# Altium PCB Nuio_Left_Keyboard_Rev_G.PcbDoc (part 2 of 3)
Units mil, origin at the board's own origin, x right, y up, seen from the top; angles counter-clockwise.
Board outline 3504.15 x 969.68 mil, 4 copper layers (Top Layer, GND1, GND2, Bottom Layer), stack 37.04 mil thick; 153 components, 101 nets, 597 pads, 397 vias.
Unrouted connection lines stored in the file: 1.
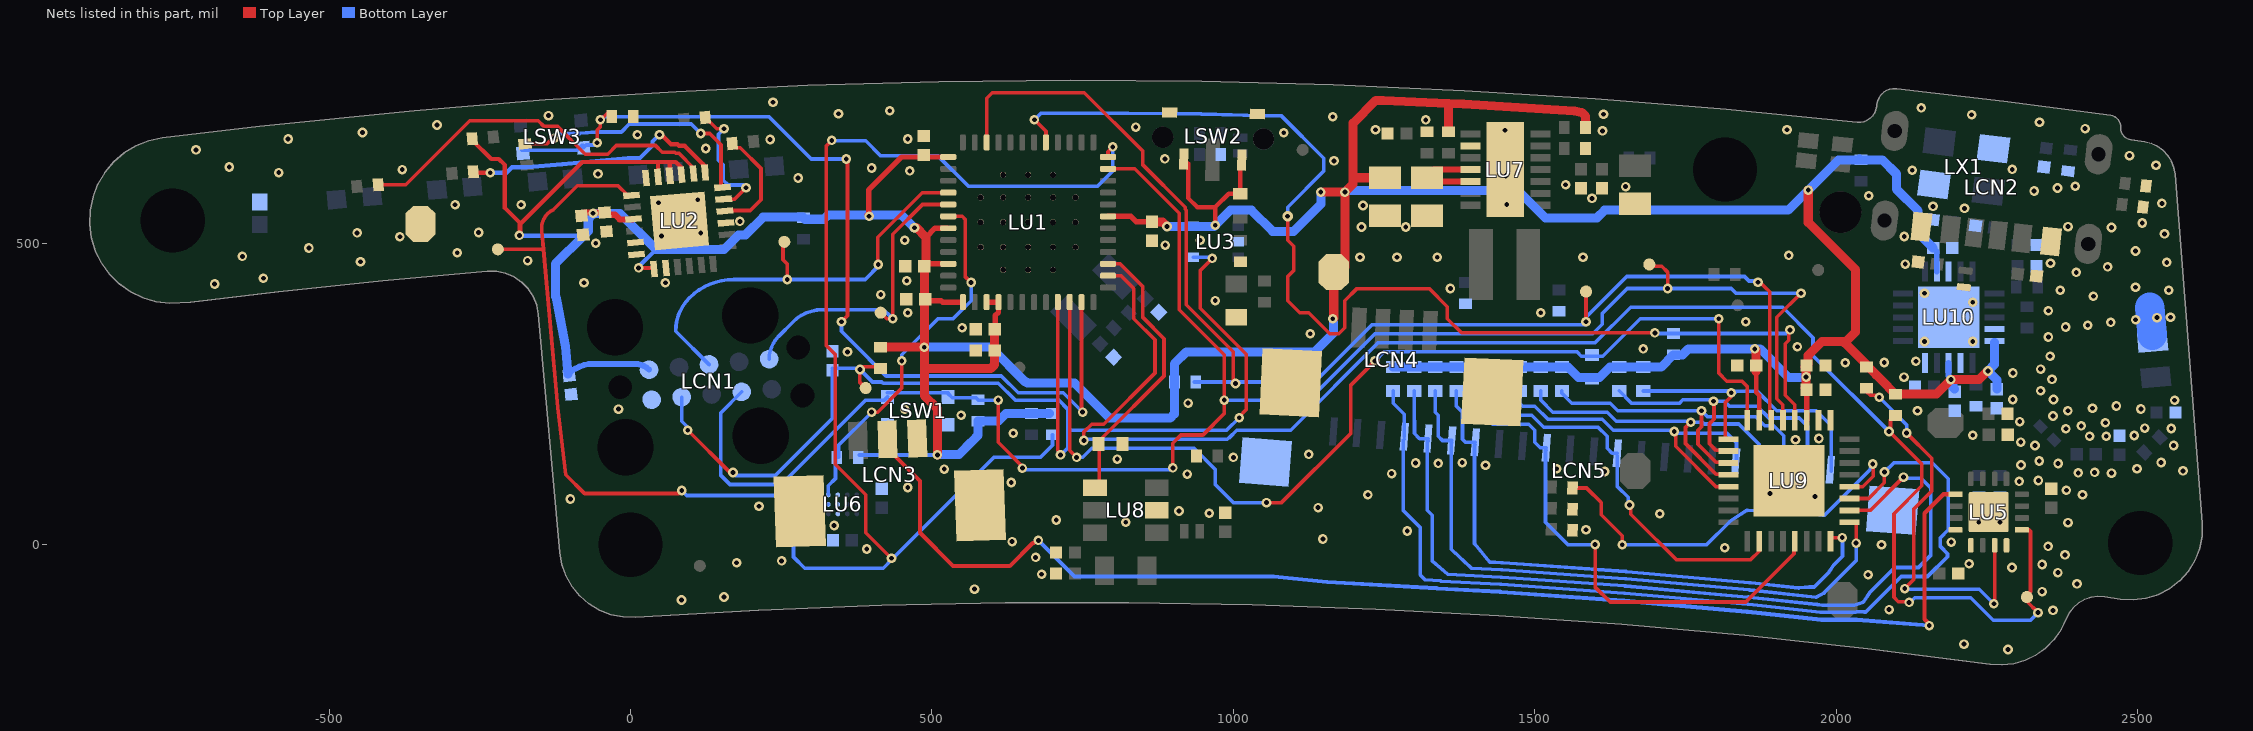
[diagram p4: the nets of this part, all layers, seen from the top]

## Part data (continued)
LL5: library part CMP-001-2002-02, "2.7 nH Unshielded Multilayer Inductor 800 mA 150mOhm Max 0402 (1005 Metric)", Case/Package=0402, Current Rating=300mA, DC Resistance (DCR)=150mR, Inductance=2.7nH, Manufacturer="Murata Electronics", Manufacturer Part Number=LQG15HS2N7S02D, Max Operating Temperature=125°C, Min Operating Temperature=-55°C, Self Resonant Frequency=6GHz, Test Frequency=100MHz, Core Material=Air, DC Current=300mA, Depth=0.55mm, Height=0.5mm, Height - Seated (Max)=0.022inch, Lead Free="Lead Free", Length=1mm, Max DC Current=300mA, Military Standard=Not, Mount="Surface Mount", Q Factor=8, Radiation Hardening=No, Rated Current-Max=300mA, RoHS Compliant=Yes, Series=LQG15HS, Shielding=Unshielded, Termination=SMD/SMT, Width=0.02inch
LLED1 LLED2 LLED3 LLED4 LLED5: library part CMP-001-0086-08, "LED GREEN CLEAR THIN 0603 SMD", Color=Green, Current - Test=20mA, Manufacturer="Lite-On Inc", Millicandela Rating=35mcd, Package / Case="0603 (1608 Metric)", Voltage - Forward (Vf) (Typ)=2V, Height=0.55mm, Lens Style/Size="Rectangle with Flat Top, 1.1mm x 0.8mm", Lens Type=Clear, Manufacturer Part Number=LTST-C191KGKT, Mounting Type="Surface Mount", Packaging="Cut Tape (CT)", Pin Count=2, Pricing 1="1=0.3, 10=0.238, 100=0.1296, 250=0.0864, 500=0.07344, 1000=0.05616, 2500=0.05076 (USD)", RoHS="RoHS Compliant", Size / Dimension="1.60mm L x 0.80mm W", Stock 1=84829, Viewing Angle=130°, Wavelength - Dominant=571nm, Wavelength - Peak=574nm
LLED6: library part CMP-001-0089-03, "LED RGB 605/525/470NM DIFF SMD", Color="Red, Green, Blue (RGB)", Current - Test="20mA Red, 20mA Green, 20mA Blue", Lens Color=White, Manufacturer="Lite-On Inc.", Millicandela Rating="112.5mcd Red, 281mcd Green, 104mcd Blue", Package / Case="0606 (1616 Metric)", Voltage - Forward (Vf) (Typ)="2.1V Red, 3.35V Green, 3.35V Blue", Component Name=LTST-C19HE1WT, ComponentLink1Description=http://optoelectronics.liteon.com/upload/download/DS22-2008-0044/S_110_LTST-C19HE1WT.pdf, ComponentLink1URL=http://optoelectronics.liteon.com/upload/download/DS22-2008-0044/S_110_LTST-C19HE1WT.pdf, Features=-, Height (Max)=0.35mm, Lens Style/Size="Rectangle with Flat Top, 1.15mm x 1.60mm", Lens Transparency=Diffused, Manufacturer Part Number=LTST-C19HE1WT, Mounting Type="Surface Mount", Packaging="Cut Tape (CT)", Part Status=Active, Pin Count=4, Pricing 1="1=0.59, 10=0.424, 25=0.3464, 100=0.277, 250=0.23372, 500=0.19912, 1000=0.15583 (USD)", RoHS="RoHS Compliant", Size / Dimension="1.60mm L x 1.60mm W", Stock 1=369310, Viewing Angle=130°, Wavelength - Dominant="624nm Red, 525nm Green, 470nm Blue", Wavelength - Peak="632nm Red, 520nm Green, 468nm Blue"
LR1 LR2 LR3 LR4 LR11: library part CMP-001-0724-07, "4.7 kOhms ±1% 0.063W, 1/16W Chip Resistor 0402 (1005 Metric) Moisture Resistant Thick Film", Case Code (Imperial)=0402, Manufacturer=YAGEO, Manufacturer Part Number=RC0402FR-074K7L, Max Operating Temperature=155°C, Max Power Dissipation=63mW, Min Operating Temperature=-55°C, Power Rating=62.5mW, Resistance Tolerance=1%, Resistor Type="Thick Film", Temperature Coefficient=100ppm/°C, Voltage Rating=50V, Case/Package=0402, Construction=Rectangular, Depth=0.5mm, Features="Moisture Resistant", Lead Free="Lead Free", Length=1mm, Military Standard=Not, Reach SVHC Compliant=No, RoHS Compliant=Yes, Series=RC, Termination=SMD/SMT, Tolerance=1%, Voltage Rating (DC)=50V, Width=0.5mm
LR5 LR8 LR30 LR31 LR32 LR33 LR34 LR35 LR41: library part CMP-007-0405-16, "1k ±1% 0.063W, 1/16W Chip Resistor 0402 (1005 Metric) Moisture Resistant Thick FilmRES 1K OHM 1% 1/16W 0402", Manufacturer=Yageo, Manufacturer Part Number=RC0402FR-071KL, Package (Imperial)=0402, Package (Metric)=1005, Power=63mW, Resistance=1k, Supplier Part Number=311-1.00KLRCT-ND, Temperature Coefficient=100ppm/°C, Tolerance=1%, Composition="Thick Film", Height=400µm, Supplier=Digi-Key, Termination=SMD/SMT, Width=500µm
LR6 LR16 LR17 LR18 LR23 LR36 LR46 LR47 LR48: library part CMP-007-0354-15, "±1% 0.063W, 1/16W Chip Resistor 0402 (1005 Metric) Moisture Resistant Thick Film", Case Code (Imperial)=0402, Manufacturer=YAGEO, Manufacturer Part Number=RC0402FR-07100KL, Max Operating Temperature=155°C, Max Power Dissipation=63mW, Min Operating Temperature=-55°C, Resistance Tolerance=1%, Resistor Type="Thick Film", Temperature Coefficient=100ppm/°C, Voltage Rating=50V, Case/Package=0402, Construction=Rectangular, Depth=0.5mm, Features="Moisture Resistant", Height=0.016inch, Lead Free="Lead Free", Length=0.039inch, Military Standard=Not, Power Rating=63mW, Reach SVHC Compliant=No, RoHS Compliant=Yes, Series=RC, Termination=SMD/SMT, Tolerance=1%, Width=0.02inch
LR7: library part CMP-00007-24, "RES SMD 220K OHM 1% 1/10W 0402", Max Operating Temperature=155°C, Max Power Dissipation=100mW, Min Operating Temperature=-55°C, Package (Imperial)=0402, Package (Metric)=1005, Package Quantity=1, Power=63mW, Resistance=220k, Temperature Coefficient=100ppm/°C, Tolerance=1%, Voltage Rating=50V, Composition="Thick Film", Contact Plating=Tin, Depth=0.5mm, Features="Automotive AEC-Q200", Height=350µm, Lead Free="Lead Free", Length=1mm, Military Standard=Not, Mount="Surface Mount", Number of Terminations=2, Packaging="Tape and Reel", Power Rating=100mW, Radiation Hardening=No, REACH SVHC="No SVHC", Termination=SMD/SMT, Voltage Rating (DC)=50V, Weight=2.8E-05oz, Width=500µm
LR9 LR13 LR20 LR25 LR38 LR40 LR44 LR50 LR51 LR52 LR53 LR54 LR55 LR56: library part CMP-001-1262-04, "10 kOhms ±1% 0.063W, 1/16W Chip Resistor 0402 (1005 Metric) Anti-Sulfur, Automotive AEC-Q200, Moisture Resistant Thin Film", Case Code (Metric)=1005, Case/Package=0402, Manufacturer=Yageo, Manufacturer Part Number=AT0402FRE0710KL, Max Operating Temperature=155°C, Max Power Dissipation=63mW, Min Operating Temperature=-55°C, Resistance=10k, Supplier Part Number=YAG2104CT-ND, Temperature Coefficient=50ppm/°C, Tolerance=1%, Composition="Thin Film", Features="Moisture Resistant,Automotive AEC-Q200,Anti-Sulfur", Height=0.014inch, Length=0.039inch, Number of Terminations=2, Package (Imperial)=0402, Packaging="Tape and Reel", Supplier=Digi-Key, Width=0.02inch
LR10: library part CMP-001-1735-03, "47.5 kOhms ±1% 0.063W, 1/16W Chip Resistor 0402 (1005 Metric) Moisture Resistant Thick Film", Case Code (Imperial)=0402, Case Code (Metric)=1005, Manufacturer="Panasonic Electronic Components", Manufacturer Part Number=ERA-2ARB6041X, Max Operating Temperature=155°C, Max Power Dissipation=63mW, Min Operating Temperature=-55°C, Power Rating=62.5mW, Resistance=47.5k, Resistance Tolerance=1%, Resistor Type="Thick Film", Temperature Coefficient=100ppm/°C, Voltage Rating=50V, Case/Package=0402, Composition="Thin Film", Construction=Rectangular, Depth=0.5mm, Features="Moisture Resistant", Height=0.016inch, Lead Free="Lead Free", Length=1mm, Military Standard=Not, Number of Terminations=2, Package (Imperial)=0402, Packaging="Tape and Reel", REACH SVHC="No SVHC", RoHS Compliant=Yes, Series=RC, Size Code=0402, Termination=SMD/SMT, Tolerance=1%, Voltage Rating (DC)=50V, Width=0.02inch
LR12: library part "4.99MEG 0402 Resistor 1%", "4.99MEG 0402 Resistor 1%", Case Code (Imperial)=0402, Case Code (Metric)=1005, Manufacturer="Vishay Dale", Manufacturer Part Number=CRCW04024M99FKEDC, Max Operating Temperature=155°C, Max Power Dissipation=63mW, Min Operating Temperature=-55°C, Supplier Part Number 1=541-4110-1-ND, Temperature Coefficient=100ppm/°C, Tolerance=1%, Case/Package=0402, Category="Chip SMD Resistors", ComponentLink1Description=http://www.vishay.com/docs/28773/crcwce3.pdf?src-supplier=Digikey, ComponentLink1URL=http://www.vishay.com/docs/28773/crcwce3.pdf?src-supplier=Digikey, ComponentLink2Description=https://datasheet.octopart.com/CRCW04024M99FKEDC-Vishay-datasheet-102570912.pdf?src-supplier=Future+Electronics, ComponentLink2URL=https://datasheet.octopart.com/CRCW04024M99FKEDC-Vishay-datasheet-102570912.pdf?src-supplier=Future+Electronics, Number of Terminations=2, Packaging="Cut Tape", Pricing 1="1=0.1, 10=0.024, 50=0.0152, 100=0.0127, 500=0.00866, 1000=0.00746, 5000=0.00542 (USD)", RoHS=Yes, RoHS Compliant=Yes, Series=CRCW-C, Stock 1=96023, Supplier 1=Digikey
LR14 LR15: library part CMP-007-0525-17, "5.1 kOhms ±1% 0.1W, 1/10W Chip Resistor 0402 (1005 Metric) Automotive AEC-Q200 Thick Film", Manufacturer="Panasonic Electronic Components", Manufacturer Part Number=ERJ-2RKF5101X, Max Operating Temperature=155°C, Max Power Dissipation=100mW, Min Operating Temperature=-55°C, Package (Imperial)=0402, Power=63mW, Resistance=5.1k, Temperature Coefficient=100ppm/°C, Tolerance=1%, Voltage Rating=50V, Composition="Thick Film", Contact Plating=Tin, Depth=0.5mm, Height=350µm, Lead Free="Lead Free", Length=1mm, Military Standard=Not, Mount="Surface Mount", Power Rating=100mW, REACH SVHC="No SVHC", Termination=SMD/SMT, Voltage Rating (DC)=50V, Weight=2.8E-05oz, Width=500µm
LR19: library part CMP-007-0476-14, "330 Ohms ±1% 0.063W, 1/16W Chip Resistor 0402 (1005 Metric) Automotive AEC-Q200 Thick Film", Manufacturer Part Number=RC0402FR-07330RL, Operating Temperature="-55°C ~ 155°C", Package (Imperial)=0402, Package (Metric)=1005, Power=63mW, Resistance=330, Temperature Coefficient=±100ppm/°C, Tolerance=1%, Height=400µm, Length=1mm, Termination=SMD/SMT
LR21: library part CMP-00034-19, "1.8 kOhms ±0.1% 0.063W, 1/16W Chip Resistor 0402 (1005 Metric) Automotive AEC-Q200 Thin Film", Case Code (Imperial)=0402, Manufacturer="Panasonic Electronic Components", Manufacturer Part Number=ERA-2AEB182X, Max Operating Temperature=155°C, Max Power Dissipation=63mW, Min Operating Temperature=-55°C, Resistance Tolerance=0.1%, Resistor Type="Thin Film", Temperature Coefficient=25ppm/°C, Voltage Rating=50V, Voltage Rating (DC)=25V, Case/Package=0402, Construction=Rectangular, Contact Plating=Tin, Depth=0.5mm, Height=0.016inch, Lead Free="Lead Free", Length=0.039inch, Mounting Technology="Surface Mount", Power Rating=63mW, Reach SVHC Compliant=Unknown, RoHS Compliant=Yes, Series=ERA-2A, Termination=SMD/SMT, Tolerance=0.1%, Width=0.02inch
LR22 LR42 LR43 LR45: library part CMP-007-0298-18, "0 Ohms Jumper Chip Resistor 0402 (1005 Metric) Automotive AEC-Q200 Thick Film", Manufacturer="Stackpole Electronics Inc", Manufacturer Part Number=RMCF0402ZT0R00, Operating Temperature="-55°C ~ 155°C", Package (Imperial)=0402, Package (Metric)=1005, Power=63mW, Resistance=0, Tolerance=0%, Height=400µm, Length=1mm, Termination=SMD/SMT
LR24: library part CMP-001-1995-03, "1 MOhms ±1% 0.063W, 1/16W Chip Resistor 0402 (1005 Metric) Moisture Resistant Thick Film", Case/Package=0402, Manufacturer=YAGEO, Manufacturer Part Number=RC0402FR-071ML, Max Operating Temperature=155°C, Max Power Dissipation=63mW, Min Operating Temperature=-55°C, Resistance=1M, Resistance Tolerance=1%, Resistor Type="Thick Film", Temperature Coefficient=100ppm/°C, Voltage Rating=50V, Construction=Rectangular, Depth=0.5mm, Features="Moisture Resistant", Height=0.32mm, Lead Free="Lead Free", Length=1mm, Military Standard=Not, Power Rating=63mW, REACH SVHC=Unknown, RoHS Compliant=Yes, Series=RC, Size Code=0402, Technology="THICK FILM", Termination=SMD/SMT, Tolerance=1%
LR26: library part CMP-001-2304-01, "SMD Chip Resistor, 13 Ohm, ± 1%, 63 mW, 0402 [1005 Metric], Thick Film, General Purpose", Case Code (Imperial)=0402, Case Code (Metric)=1005, Manufacturer 1=Yageo, Manufacturer Part Number 1=RC0402FR-0713RL, Max Operating Temperature=155°C, Max Power Dissipation=63mW, Min Operating Temperature=-55°C, Power Rating=62.5mW, Supplier Part Number 1=YAG2977CT-ND, Temperature Coefficient=100ppm/°C, Tolerance=1%, Voltage Rating=50V, Case/Package=0402, Category="Chip SMD Resistors", ComponentLink1Description=https://datasheet.ciiva.com/17423/pyu-rc0402-51-rohs-l-6-r-17423990.pdf?src-supplier=Future+Electronics, ComponentLink1URL=https://datasheet.ciiva.com/17423/pyu-rc0402-51-rohs-l-6-r-17423990.pdf?src-supplier=Future+Electronics, ComponentLink2Description=https://datasheet.ciiva.com/15189/getdatasheetpartid-327833-15189354.pdf?src-supplier=Verical, ComponentLink2URL=https://datasheet.ciiva.com/15189/getdatasheetpartid-327833-15189354.pdf?src-supplier=Verical, Construction=Rectangular, Contact Plating=Tin,Matte, Depth=0.5mm, Features="Moisture Resistant", Height=0.016inch, Lead Free="Lead Free", Length=1mm, Military Standard=Not, Number of Terminations=2, Packaging="Tape and Reel", Pricing 1="1=0.1, 10=0.015, 50=0.0088, 100=0.0073, 500=0.00488, 1000=0.00417, 5000=0.00297 (USD)", RoHS=Yes, RoHS Compliant=Yes, Series=RC, Stock 1=239263, Supplier 1=Digikey, Termination=SMD/SMT, Voltage Rating (DC)=50V, Width=0.5mm
LR27: library part CMP-001-2044-03, "RES 180K OHM 1% 1/16W 0402", Max Operating Temperature=155°C, Min Operating Temperature=-55°C, Operating Temperature="-55°C ~ 155°C", Package (Imperial)=0402, Package (Metric)=1005, Power=63mW, Temperature Coefficient=100ppm/°C, Tolerance=1%, Height=400µm, Length=1mm, Resistance=180k, Termination=SMD/SMT, Width=500µm
LR28 LR29 LR39: library part CMP-007-0358-16, "10 kOhms ±1% 0.063W, 1/16W Chip Resistor 0402 (1005 Metric) Thin Film", Max Operating Temperature=155°C, Min Operating Temperature=-55°C, Package (Imperial)=0402, Package (Metric)=1005, Power=63mW, Resistance=10k, Tolerance=1%, Height=400µm, Length=1mm, Termination=SMD/SMT, Width=500µm
LR37: library part CMP-00080-14, "RES SMD 560 OHM 1% 1/16W 0402", Package (Imperial)=0402, Package (Metric)=1005, Power=63mW, Temperature Coefficient=100ppm/°C, Tolerance=1%, Height=400µm, Length=1mm, Resistance=560, Termination=SMD/SMT
LR49: library part CMP-00082-14, "RES SMD 22K OHM 1% 1/16W 0402", Package (Imperial)=0402, Package (Metric)=1005, Power=63mW, Resistance=22k, Tolerance=1%, Height=400µm, Length=1mm, Termination=SMD/SMT
LSW1 LSW3: library part CMP-00343-02, "2.8x1.9mm Compact Type with Projection Surface Mount SKSV Series Tact Switch", Current Rating="50 mA", Manufacturer="Alps Alpine", Voltage Rating (DC)="12 VDC", Manufacturer Part Number=SKSVCAE010, RoHS Compliant=Yes
LSW2: library part CMP-00359-04, "SWITCH TACTILE SPST-NO 0.05A 12V", Current Rating=50mA, Max Operating Temperature=85°C, Min Operating Temperature=-35°C, Operating Force=160gf, Package Quantity=1, Actuator Length=0.85mm, Actuator Material=Polyphthalamide, Actuator Type=Standard, Contact Material="Stainless Steel,Silver", Contact Plating="Stainless Steel,Silver", Electrical Life=100000Cycles, Mechanical Life=100000Cycles, Mount="Surface Mount", Packaging="Tape and Reel", Series=TL3340, Switch Function=Off-Mom, Switch Travel=0.2mm
LTH1: library part CMP-06022-000215-2, "NTC Thermistor for Temperature Sensor, Automotive, 0402, 10kΩ, 1%, 0.1mA, 5V"
LTP1 LTP6 LTP9 LTP11 LTP13: library part CMP-001-0557-04, "Test Point- Current one"
LTP2 LTP3 LTP4 LTP5 LTP7 LTP8 LTP10 LTP12 LTP14 LTP15 LTP16 LTP17: library part CMP-001-1043-02, "MTK-TP20MIL"
LU1: library part CMP-001-1982-03, "Rx Txrx Mod Wifi Surface Mount", Case/Package=QFN, Frequency=2.5GHz, Manufacturer="Espressif Systems", Max Frequency=40MHz, Max Operating Temperature=85°C, Min Operating Temperature=-40°C, Operating Frequency="2.4 GHz to 2.5 GHz", Operating Supply Voltage=3.6V, Output Power (dBm)=20dBm, Package Quantity=2000, Data Bus Width=32b, Data Rate=150Mbps, Height=0.94mm, Interface=I2C,SPI,I2S,UART, Length=7mm, Manufacturer Part Number=ESP32-PICO-D4, Memory Size=4MB, Memory Type=FLASH, Mount="Surface Mount", Number of ADC Channels=10, RAM Size=520KB, Sensitivity=-97dBm, Series=ESP32, Width=7mm
LU2: library part CMP-001-2127-03, "I/O Expander 16 I²C 400 kHz 24-TQFN (4x4)", Frequency=400kHz, Max Operating Temperature=85°C, Min Operating Temperature=-40°C, Interface=I2C, Mounting Technology="Surface Mount", Number of I/Os=16, Packaging="Cut Tape", RoHS Compliant=Yes, Series=-
LU3: library part CMP-001-2183-02, "LMV Series 5 V 1 nA SMT Single General Purpose, Low Voltage Comparator - SC-70", Case/Package=SC, Input Bias Current=1nA, Input Offset Voltage (Vos)=9mV, Manufacturer=onsemi, Max Operating Temperature=85°C, Max Supply Current=120uA, Max Supply Voltage=5V, Min Operating Temperature=-40°C, Min Supply Voltage=2.7V, Natural Thermal Resistance=280°C/W, Operating Supply Voltage=3V, Output Current=84mA, Package Quantity=3000, Quiescent Current=150uA, Voltage Gain=93.98dB, Halogen Free="Halogen Free", Height=1mm, Lead Free="Lead Free", Length=2.2mm, Manufacturer Part Number=LMV331SQ3T2G, Max Input Current=1nA, Number of Channels=1, Number of Elements=1, Packaging="Tape and Reel", Pins=5, Propagation Delay=1.5us, Radiation Hardening=No, Reach SVHC Compliant=No, RoHS Compliant=Yes, Series=-, Supply Current=120uA, Technology=CMOS, Type="General Purpose", Width=1.35mm
LU5: library part CMP-001-1983-03, "USB Friendly 0.5A Li-ion charger with power-Path, 10.5V OVP 16-VQFN -5 to 125", Battery Pack Voltage=4.2V, Case/Package=QFN, Manufacturer="Texas Instruments", Max Charge Current=500mA, Max Operating Temperature=125°C, Max Supply Voltage=10.2V, Min Operating Temperature=-5°C, Battery Chemistry=LITHIUM-ION, Fault Protection="Over Voltage,Over Temperature,Short Circuit,Reverse Current", Interface=USB, Lead Free="Lead Free", Manufacturer Part Number=BQ24232HARGTR, Mount="Surface Mount", Number of Cells=1, Packaging="Cut Tape", RoHS Compliant=Yes, Series=-
LU6: library part CMP-001-1998-02, "IC FUEL GAUGE LI-ION 1C 12WLCSP", Manufacturer=onsemi, Max Operating Temperature=85°C, Min Operating Temperature=-40°C, Interface=I2C, Manufacturer Part Number=LC709204FXE-01TBG, Mount="Surface Mount", Number of Cells=1
LU7: library part CMP-00353-03, "IC REG BCK BST ADJ 4A 14WDFN", Manufacturer="Richtek USA Inc.", Max Input Voltage=5.5V, Max Operating Temperature=85°C, Min Input Voltage=1.8V, Min Operating Temperature=-40°C, Output Current=4A, Switching Frequency=2.4MHz, Manufacturer Part Number=RT6154AGQW, ManufacturerPartNumbers=RT6154AGQW, Max Output Voltage=5.5V, Min Output Voltage=1.8V, Mount="Surface Mount", Number of Outputs=1, Number of Pins=14, Output Configuration=Positive, Output Type=Adjustable, REACH SVHC="No SVHC", RoHS Compliant=Yes, Synchronous Rectifier=Yes, Topology=Buck-Boost
LU8: library part CMP-001-2111-02, "IC LED DRVR RGLTR PWM TSOT23-6", Case/Package=SOT-23-6, Frequency=1.1MHz, Max Operating Temperature=85°C, Max Supply Voltage=5.5V, Min Operating Temperature=-40°C, Output Current per Channel=1.2A, Output Voltage=36.5V, Dimming=PWM, Mounting Technology="Surface Mount", Number of Outputs=1, Packaging="Cut Tape", Topology=Boost
LU9: library part CMP-001-2076-03, "Ultra low-voltage translating 24-bit Fm+ I²C-bus/SMBus I/O expander", Frequency=1MHz, Max Operating Temperature=85°C, Min Operating Temperature=-40°C, Interface=I2C, Mount="Surface Mount", Number of I/Os=24, Packaging="Tape and Reel", RoHS Compliant=Yes, Series=-
LU10: library part CMP-001-1993-05, "IC RF TXRX ISM>1GHZ 20VFQFN", Case/Package=QFN, Current - Receiving=13.5mA, Current - Transmitting=11.3mA, Frequency=2.4GHz, Manufacturer="Nordic Semiconductor ASA", Max Operating Temperature=85°C, Max Supply Voltage=3.6V, Min Operating Temperature=-40°C, Output Power (dBm)=0dBm, Package Quantity=1500, Data Rate=2Mbps, Depth=4mm, Interface=SPI, Length=4mm, Manufacturer Part Number=NRF24L01P-R7, Mount="Surface Mount", Packaging="Tape and Reel", Sensitivity=-94dBm, Series=-
LX1: library part CMP-001-2112-01, "CRYSTAL 16.0000MHZ 12PF SMD", Frequency=16MHz, Frequency Stability=+-30ppm, Frequency Tolerance=+-25ppm, Load Capacitance=12pF, Manufacturer="ECS Inc.", Package/Case=4-SMD, ESR="80 Ohms", Height=0.8mm, Manufacturer Part Number=ECS-160-12-33-AGN-TR3
LY1: library part CMP-18717-000021-2, "CRYSTAL 32.7680KHZ 6PF SMD", Case/Package=SMD/SMT, ESR (Equivalent Series Resistance)=70kR, Frequency Tolerance=30ppm, Load Capacitance=6pF, Max Operating Temperature=85°C, Min Operating Temperature=-40°C, Frequency=32.768kHz, Height=0.033inch, Length=0.126inch, Mount="Surface Mount", Packaging="Tape and Reel", Width=0.061inch

## Free pads (board coordinates)
  round 86.61 hole 106.3: 1(-759.35,538.22) 1(0,0) 1(1815.28,622.21) 1(2504.37,3.11)
  round 68.9 hole 68.9 unplated: 1(2007.09,551.46)

## Via types
v1: diameter 16, hole 8, Top Layer to Bottom Layer, tented both sides, 396 vias
v2: diameter 17.72, hole 8, Top Layer to Bottom Layer, tented both sides, 1 vias

## Nets (pads, with @x,y where several pads share a name; then routed paths per layer and width w, separated by ;. In a path a pad name is that pad's centre, name@x,y a point inside that pad or via, vN(x,y) a via of type N, cw(c..) or ccw(c..) an arc to the next point about the centre after c; other vN are vias at no path point)
3V3: LC1.1 LC2.1 LC3.1 LC4.1 LC5.1 LC6.1 LC8.1 LC9.1 LC11.1 LC30.1 LC31.1 LC33.1 LC34.1 LC35.1 LC36.1 LC37.1 LC38.1 LCN1.1 LR1.1 LR2.1 LR3.1 LR4.1 LR6.1 LR9.1 LR11.1 LR13.1 LR16.1 LR17.2 LR18.2 LR20.1 LR23.1 LR24.1 LR29.1 LR38.1 LR39.1 LR40.1 LR44.1 LR47.1 LR50.1 LR51.1 LR52.1 LR53.1 LR54.1 LR55.1 LR56.1 LSW2.1 LSW2.3 LTP6.1 LU1.1 LU1.3 LU1.4 LU1.19 LU1.37 LU1.43 LU1.46 LU2.1 LU2.15 LU2.16 LU2.17 LU2.21 LU3.5 LU7.4 LU7.5 LU9.27 LU9.31 LU10.7 LU10.15 LU10.18 | length 8804.7
  Top Layer w7: LR29.1@-262.65,673.46 -262.65,671.67 -230.98,640 -218.48,640 -208.48,630 -208.48,558.48 -184.34,534.34 v1(-184.34,513.22) -182.42,515.14 -182.42,532.58 -80,635 45.66,635 ; v1(13.5,459.28) 37.14,459.28 LU2.1@39.12,457.3 ; LU2.17@45.48,610.41 45.48,634.82 45.66,635 ; LU2.16@65.09,612.12 65.09,634.91 65,635 ; LU2.15@81.91,623.91 LU2.15@84.7,613.84 84.7,625.3 75,635 65,635 ; LSW2.3@917.53,639.86 925,632.39 925,575 940,560 970,560 ; v1(970,530) 970,560 ; LSW2.1@1013.97,638.18 1011.52,635.73 LR9.1@1011.52,582.29 992.29,582.29 970,560 ; LC35.1@1867.27,287.29 1867.27,252.73 1872.31,247.69 LU9.31@1872.31,206.62 ; 45.66,635 65,635
  Top Layer w9: v1(395.8,545) 392.9,547.9 395,550 395,588.4 449.79,643.19 LU1.37@525.11,643.19 ; LC2.1@487.27,462.29 490,465.02 491,466.02 LU1.46@527.11,466.02 ; LC1.1@487.82,407.24 490.06,405 515,405 517.57,402.43 LU1.1@551.34,402.43 ; 490,510 505.07,525.07 LU1.43@525.11,525.07 ; LU1.3@590.71,402.43 LU1.4@610.39,402.43 610.39,385.39 605,380 605,358.23 LC4.1@604.01,357.24 ; LU1.19@792.22,544.89 830.11,544.89 839.25,535.75 LC5.1@865,535.75 ; LU9.27@1950.91,206.62 LC33.1@1950.91,257.15
  Top Layer w10: LC9.1@-81.37,545.69 -76.02,551.04 LC8.1@-42.68,551.04 ; LC8.1@-39.1,547.45 -25.57,547.45 -18.01,539.89 LU2.21@4.39,539.89 ; LC31.1@1321.52,608.78 1327.7,602.6 LU7.5@1393.25,602.6 ; LC31.1@1332.74,620 1335.03,622.29 LU7.4@1393.25,622.29
  Top Layer w15: LR3.1@415,327.72 v1(487.28,327.72) ; v1(471.08,525.82) 471.08,526.37 473.63,526.37 490,510 LC2.1@490,465.02 ; LC2.1@487.82,462.29 487.82,407.24 487.82,328.25 v1(487.28,327.72) ; v1(508.97,149.09) 508.97,226.03 487.63,247.37 487.63,292.29 ; LC4.1@604.01,357.24 LC3.1@604.01,322.24 604.01,299.01 597.29,292.29 487.63,292.29 ; LC5.1@865,535.75 882.24,535.75 v1(890,527.99) ; v1(1145,585) v1(1185,585) ; LTP6.1@1152.2,457.89 LTP6.1@1152.81,457.29 ; v1(1165,375) 1166.52,376.52 1166.52,442.29 1185,460.76 v1(1185,585) ; LC30.1@1232.45,608.78 1198.75,608.78 ; LC31.1@1321.52,608.78 LC31.1@1332.74,620 ; LR24.1@1356.52,685 1356.52,730 ; LR23.1@1584.24,692.29 1584.24,710.76 1577.65,717.35 1565.54,719.48 1381.84,730.92 1356.61,732.03 1248.32,736.78 1239.88,737.16 1236.54,737.3 1198.75,699.51 1198.75,608.78 ; v1(1865,325) 1866.59,323.41 1866.59,297.96 LC35.1@1867.27,297.29 LC35.1@1867.27,287.29 ; LC34.1@1948.04,294.55 1950,292.59 v1(1950,278.19) 1950,261.98 1948.04,260.02 LC33.1@1950.77,257.29 ; LC34.1@1950.77,297.29 1953.51,300.02 1953.51,314.27 1976.52,337.29 2011.52,337.29 2014.02,334.79 ; v1(1953.62,588.3) 1953.62,534.92 2032.33,456.21 2032.33,353.09 2014.02,334.79 ; LR17.2@2050,295 2053.12,295 2066.19,281.93 2066.42,281.93 2074.33,274.02 2074.33,273.79 LR18.2@2098.23,249.89 2166.2,249.89 v1(2190.21,273.9) 2236.53,273.9 2250.98,288.34 v1(2251.71,288.34) ; LR17.2@2052.89,295.92 2014.02,334.79 ; v1(487.28,327.72) 487.63,327.37 487.63,292.29 ; v1(1185,585) 1198.75,598.75 1198.75,608.78
  Bottom Layer w7: v1(-184.34,513.22) -183.72,512.6 -77.68,512.6 ; v1(13.5,459.28) 13.5,461.17 42.26,489.93 ; LR16.1@380,149.09 v1(508.97,149.09)
  Bottom Layer w9: LC37.1@2160.77,492.29 2166.84,486.22 LU10.7@2166.84,453.07
  Bottom Layer w10: LC11.1@-103.47,282.9 cw(c-62.2,241.63) -62.2,300 7.44,300 cw(c7.44,267.1) LCN1.1@30.71,290.36 ; LU10.18@2186.52,301.5 2186.6,301.42 2186.6,279.59 2190.21,275.98 v1(2190.21,273.9)
  Bottom Layer w15: LC11.1@-103.47,282.9 -107.57,328.78 -121.63,403.76 ccw(c-155.55,397.48) -123.57,410.42 -124.49,412.71 -124.49,465.78 -77.68,512.6 -70.06,520.21 -70.06,540.31 -62.27,548.1 -62.27,548.83 -61.75,549.35 -17.16,549.35 42.26,489.93 155.31,489.93 179.47,514.08 190.74,514.08 219.99,543.33 LR6.1@286.05,543.33 ; LR6.1@286.91,542.47 289.38,540 320.86,540 327.62,546.77 v1@388.23,546.77 ; v1@392.29,547.29 v1@395.8,547.29 ; v1(395.8,545) v1@395.8,547.29 ; v1(471.08,525.82) 470.53,526.37 469.79,526.37 448.88,547.29 v1@395.8,547.29 ; v1(487.28,327.72) 597.28,327.72 655,270 656.67,270 658.17,268.5 736.19,268.5 794.69,210 895,210 902.28,217.28 LR2.1@902.28,270 902.28,300.01 922.28,320 1135,320 1166,351 1166,374 v1(1165,375) ; v1(508.97,149.09) 509.49,149.61 544.61,149.61 557.75,162.75 557.75,163.05 573.14,178.44 573.44,178.44 576.68,181.68 LR1.1@576.68,204.88 576.8,205 610,205 622.72,217.72 650,217.72 LR11.1@665,217.72 LR4.1@695,217.72 ; v1(890,527.99) LU3.5@933.25,527.99 967.99,527.99 v1(970,530) 995,555 1030,555 1065,520 1100,520 1145,565 v1(1145,585) ; v1(1185,585) 1187.49,587.49 1472.35,587.49 1517.56,542.29 1603.19,542.29 1615.9,555 1920.32,555 v1(1953.62,588.3) 2003.94,638.62 2037.45,638.62 LR47.1@2038.81,639.98 ; LR51.1@1265,294.68 LR50.1@1300,294.68 LR44.1@1335,294.68 LR38.1@1370,294.68 LR20.1@1405,294.68 LR13.1@1440,294.68 LR52.1@1475,294.68 LR53.1@1510,294.68 LR54.1@1545,294.68 1555.31,294.68 1572.72,277.28 1607.28,277.28 1624.68,294.68 LR55.1@1640,294.68 LR56.1@1680,294.68 1709.68,294.68 LR39.1@1730,315 1745,315 1755,325 v1(1865,325) 1873.81,325 1921.42,277.38 1947.38,277.38 1949.1,279.1 v1(1950,278.19) ; LR47.1@2040.77,638.62 2076.38,638.62 2100,615 2100,590 2135.97,554.03 2135.97,517.09 LC37.1@2160.77,492.29 ; v1(2190.21,273.9) 2190.21,273.16 2193.79,269.58 2193.79,260.77 LC38.1@2196.52,258.03 ; v1@2252.23,287.82 2266.52,273.53 LC36.1@2266.52,258.03 ; v1@2252.23,288.86 2262.39,299.02 LU10.15@2262.39,335.34
  other v1: -62,550
BACKLIGHT_CTRL: LR25.1 LU1.15 LU8.4 | length 474
  Top Layer w6: LU8.4@767.78,90.75 777.57,100.55 777.57,167.29 782.71,172.42 782.71,177.71 885,280 885,330 885,341.97 850,376.97 850,428.03 812.01,466.02 LU1.15@792.1,466.02
BAT_CHG: LR18.1 LTP2.1 LU1.14 LU5.9 | length 2681.7
  Top Layer w6: v1(752,173) 752,187 765,200 785,200 870,285 870,340 835,375 835,425 813.67,446.33 LU1.14@792.1,446.33 ; v1(2087.45,187.86) 2090,190.41 2090,207.21 2097.25,214.45 LR18.1@2099.21,214.45 ; v1@2087.98,187.86 2142,133.84 2142,97.77 2095.84,51.61 2095.84,-87.04 2103.08,-94.27 2119.65,-94.27 v1(2120.93,-95.55) ; LU5.9@2310.97,24.74 2319.68,24.74 2322.19,22.22 2322.19,-78.13 2316.19,-84.13 2316.19,-93.87 v1(2334.82,-112.49)
  Bottom Layer w6: v1(752,173) 754.5,175.5 755,175 990,175 993,178 993.74,178 1005.74,190 1095,190 1240,335 1600,335 1659.07,394.07 1911.07,394.07 1961.52,343.62 1961.52,313.79 v1(2087.45,187.86) ; v1(2120.93,-95.55) 2122.47,-95.55 2130.31,-87.71 2222.99,-87.71 2260.27,-125 2322.31,-125 v1(2334.82,-112.49)
BAT_PGOOD: LR17.1 LU5.7 | length 641.4
  Top Layer w6: LR17.1@2050.39,253.93 2056.25,248.07 v1@2064.72,248.07 ; v1(2113.7,-72.69) 2128.73,-57.66 2128.73,59.5 2158.51,89.27 2158.51,143.55 v1(2116.7,185.36) ; v1(2261.52,-97.71) 2262.75,-96.49 LU5.7@2262.75,-3.81
  Bottom Layer w6: v1(2071.33,244.64) 2116.7,199.26 v1(2116.7,185.36) ; v1(2113.7,-72.69) 2114.6,-73.59 2237.4,-73.59 v1(2261.52,-97.71)
BATCAP_SW: LR36.1 LSW3.1 LSW3.2 LU1.11 | length 1568.3
  Top Layer w6: v1(-55.41,666.76) -55.41,687.67 -50,693.07 v1(-50,705) -49.1,705 -37.52,716.58 LR36.1@-31.13,710.74 ; v1(350,370) 360,380 360,640 v1(358,640) ; LU1.11@748.19,402.43 748.19,221.81 v1(750,220)
  Bottom Layer w6: LSW3.1@-180.12,654.52 -88.85,654.52 -81.09,662.29 LSW3.2@-78.18,662.29 ; LSW3.2@-78.18,658.31 -73.33,663.16 -59.01,663.16 v1(-55.41,666.76) ; v1(-50,705) -45,710 229.71,710 300.32,639.39 300.94,640 v1(358,640) ; v1(350,370) 350,353.96 356,347.96 365.96,338 423.96,280 615,280 643,252 718,252 v1(750,220)
BATT_THERM: LCN3.2 LU5.1 | length 2170.8
  Top Layer w7: LCN3.2@426.39,174.7 426.39,159.48 480,105.87 480,20 535,-35 555.25,-35 629.24,-35 667.33,3.1 669.43,3.1 673.62,7.29 v1(676.52,7.29) ; v1(2154.28,-134.11) 2154.28,-131.21 2146.52,-123.45 2146.52,52.29 2178.03,83.79 LU5.1@2194.83,83.79
  Bottom Layer w7: v1(676.52,7.29) 736.52,-52.71 1066.17,-52.71 cw(c1066.17,-59.71) 1066.87,-52.75 1155.77,-61.64 1337.54,-72.19 ccw(c1355,-55) 1337.88,-72.52 1442.29,-78.07 cw(c1440.28,-117.52) 1443.12,-78.12 ; 1443.15,-78.12 1647.33,-92.73 cw(c1644.53,-132.13) 1648.1,-92.79 1851.98,-111.13 cw(c1848.46,-150.47) 1852.8,-111.21 1975.27,-124.5 2030,-124.5 ccw(c2030,-100) 2033.5,-124.25 v1(2154.28,-134.11)
CAP_LED1: LR30.2 LU2.14 | length 620.9
  Top Layer w6: LR30.2@-418.48,597.29 -372.71,597.29 -266.63,703.37 -152.91,703.37 -143.53,693.99 -121.11,693.99 -74.95,647.83 -37.93,647.83 -23.48,662.29 4.03,662.29 18.82,662.28 41.52,662.29 52.54,651.26 73.44,651.26 75.42,649.28 80.49,649.28 104.32,625.45 LU2.14@104.32,615.55
CAP_LED2: LR31.2 LU2.13 | length 443.7
  Top Layer w7: LR31.2@-260.83,618.83 -259,617 v1(-232.64,617) ; v1(48.01,680.14) 49.64,681.77 67.07,664.34 78.04,664.34 80.6,661.78 90.02,661.78 120.73,631.07 123.93,627.88 LU2.13@123.93,617.27
  Bottom Layer w7: v1(-232.64,617) -205.6,617 -196.39,626.22 -172.09,626.22 -113.25,631.36 -4.43,641.45 15.69,641.45 36.66,662.42 36.66,669.14 47.83,680.32 v1(48.01,680.14)
CAP_LED3: LR32.2 LU2.12 | length 426.7
  Top Layer w6: LR32.2@-175.02,664.93 -139.13,664.93 -129.8,674.26 v1(-126.63,674.26) v1@-126.63,671.55 ; v1(116.52,682.29) 131.52,682.29 150.11,663.7 150.11,630.87 150.11,595.76 LU2.12@152.93,592.93
  Bottom Layer w6: v1(-126.63,674.26) -123.93,674.26 -115.9,682.29 -84.55,682.29 -84.29,682.31 -56.24,684.76 -55.72,684.79 -15.09,684.79 -1.88,698 100.81,698 v1(116.52,682.29)
CAP_LED4: LR33.2 LU2.11 | length 218.6
  Top Layer w6: LR33.2@124.17,708.83 143,690 v1(154.99,690.03) ; LU2.11@154.64,573.32 172.56,573.32 v1(191.52,592.29)
  Bottom Layer w6: v1(154.99,690.03) 145.88,680.89 145.88,637.92 153.79,630.02 153.79,604.83 161.81,596.81 187,596.81 v1(191.52,592.29)
CAP_LED5: LR34.2 LU2.10 | length 184.9
  Top Layer w6: LU2.10@156.36,553.71 157.08,554.43 198.67,554.43 216.52,572.29 216.52,624.31 182.24,658.6 175.64,658.6 168.87,665.37 LR34.2@168.87,665.74
CAPS_LED: LR41.2 LU9.20 | length 684.3
  Top Layer w6: LR41.2@1562.7,94.19 1585.81,94.19 1610,70 1610,50 1645,15 v1(1645,0) ; LU9.20@2021.92,96.38 2043.97,96.38 2061.42,113.83 2061.42,133.21 v1(2060.61,134.03)
  Bottom Layer w6: v1(1645,0) 1784.79,0 1823.2,38.4 1849.83,56.16 cw(c1853.16,51.16) 1853.5,57.15 1958.33,51.2 cw(c1957.32,33.37) 1958.93,51.16 1977.79,49.44 1980.84,49.44 1982.57,51.18 2056.39,124.99 2056.39,126.64 2060.61,130.86 v1(2060.61,134.03)
COL0: LCN5.13 LR20.2 LU9.13 | length 866.3
  Top Layer w6: v1(1600.03,0.39) 1600.03,-70.03 1625,-95 1849.84,-95 1929.92,-14.91 1929.92,4.39 LU9.13@1931.36,5.83
  Bottom Layer w6: LR20.2@1405,255.32 1405,225 1430,200 1490,200 1500,190 1500,170 1509.08,160.92 LCN5.13@1519.19,160.92 ; LCN5.13@1519.19,156.99 1517.82,155.63 1517.82,37.18 1555,0 1600,0 v1(1600.03,0.39)
COL1: LCN5.19 LR51.2 LU9.19 | length 1589.4
  Top Layer w6: LU9.19@2021.92,76.7 2053.72,76.7 2079.78,102.76 2079.78,120.23 v1(2080.17,120.62)
  Bottom Layer w6: LR51.2@1265,255.32 1265,235 1283.67,216.33 LCN5.19@1283.67,179.12 ; LCN5.19@1283.67,175.19 1281.52,173.05 1281.52,57.29 1310,28.81 1310,-50 1317.8,-57.8 1344.06,-59.92 ccw(c1355,-55) 1344.26,-60.34 1442.92,-65.59 ; 1442.98,-65.59 cw(c1440.28,-117.52) 1443.98,-65.65 ; 1444.07,-65.66 1648.17,-80.25 cw(c1644.53,-132.13) 1649.24,-80.34 ; 1649.26,-80.34 1853.05,-98.67 cw(c1848.46,-150.47) 1854.12,-98.78 ; 1854.21,-98.79 1974,-111.79 ; 1974.04,-111.79 1975.95,-112 2030,-112 ccw(c2030,-100) 2033.78,-111.39 ; 2033.78,-111.39 2034.2,-111.25 2046.43,-111.41 2049.2,-111.41 2107.89,-52.71 2151.52,-52.71 2184.56,-19.67 2184.56,-14.7 2172.86,-3 2172.86,11.79 2185.83,24.76 2185.83,109.36 2159.06,136.14 2095.69,136.14 v1(2080.17,120.62)
COL2: LCN5.18 LR50.2 LU9.18 | length 1449.3
  Top Layer w6: LU9.18@2021.92,57.01 2056.25,57.01 v1(2111.52,112.29)
  Bottom Layer w6: LR50.2@1300,255.32 1300,206.32 1300.38,205.94 1300.38,185 1300,185 1308.92,176.08 LCN5.18@1322.92,176.08 ; LCN5.18@1322.92,172.16 1321.56,170.79 1321.56,57.25 1330,48.81 1330,-27.05 1355.32,-48.91 1443.53,-53.6 ; 1443.62,-53.61 cw(c1440.28,-117.52) 1444.81,-53.68 ; 1444.96,-53.69 1649,-68.28 ; 1649.02,-68.28 cw(c1647.33,-92.73) 1649.07,-68.29 cw(c1644.53,-132.13) 1650.29,-68.39 ; 1650.38,-68.39 1854.1,-86.72 ; 1854.15,-86.73 cw(c1848.46,-150.47) 1855.39,-86.85 ; 1855.53,-86.86 1968.57,-99.13 1976.6,-100 2030,-100 2045,-95 2056,-78.68 2096.97,-37.71 2136.52,-37.71 2156.52,-17.71 2156.52,94.36 2140.84,110.04 2113.76,110.04 v1(2111.52,112.29)
COL3: LCN5.17 LR44.2 LU9.17 | length 1059.7
  Top Layer w6: LU9.17@2025.85,38.39 2030.26,38.39 2032.97,35.68 v1(2032.97,2.68)
  Bottom Layer w6: LR44.2@1335,255.32 1335,220 1340,215 1340,180 1346.95,173.05 LCN5.17@1362.17,173.05 ; LCN5.17@1362.17,169.13 1361.52,168.47 1361.52,72.29 1361.52,-7.22 1395.05,-39.01 1444.13,-41.62 ; 1444.27,-41.62 cw(c1440.28,-117.52) 1445.63,-41.71 ; 1445.86,-41.72 1649.79,-56.31 cw(c1644.53,-132.13) 1649.85,-56.31 cw(c1647.33,-92.73) 1649.91,-56.32 ; 1649.95,-56.32 cw(c1644.53,-132.13) 1651.36,-56.43 ; 1651.48,-56.44 1855.11,-74.76 ; 1855.25,-74.78 cw(c1848.46,-150.47) 1856.66,-74.91 ; 1856.88,-74.94 1966.36,-86.82 1980,-80 1980,-79.24 2032.97,-26.27 v1(2032.97,2.68)
COL4: LCN5.16 LR38.2 LU9.16 | length 980
  Top Layer w6: LU9.16@1990.42,2.96 1990.42,9.2 1993.13,11.91 v1(2010.11,11.91)
  Bottom Layer w6: LR38.2@1370,255.32 1370,230 1380,220 1380,175 1384.98,170.02 LCN5.16@1401.43,170.02 ; LCN5.16@1401.43,166.09 1400,164.67 1400,86.22 1400,65 1400,2.12 1425.34,-28.6 1444.72,-29.63 ; 1444.94,-29.64 cw(c1440.28,-117.52) 1446.48,-29.74 ; 1446.76,-29.76 1650.6,-44.34 ; 1650.6,-44.34 cw(c1644.53,-132.13) 1650.69,-44.34 cw(c1647.33,-92.73) 1650.76,-44.35 ; 1650.82,-44.35 cw(c1644.53,-132.13) 1652.44,-44.48 ; 1652.6,-44.5 1856.14,-62.81 cw(c1848.46,-150.47) 1856.19,-62.81 ; 1856.25,-62.82 cw(c1854.14,-86.72) 1856.32,-62.82 ; 1856.36,-62.83 cw(c1848.46,-150.47) 1857.93,-62.98 cw(c1856.68,-74.92) 1857.99,-62.99 ; 1858.07,-63 cw(c1854.14,-98.78) 1858.13,-63 ; 1858.2,-63.01 1937.85,-71.66 ccw(c1935,-60) 1938.78,-71.39 ; 1938.78,-71.39 1938.93,-71.34 1955,-70 1963.52,-70 1985.1,-48.43 ccw(c1982.4,-43.07) 1987.39,-46.4 1996.52,-32.71 2010.33,-18.9 2010.33,11.68 v1(2010.11,11.91)
COL5: LCN5.2 LR55.2 LU9.2 | length 521.3
  Top Layer w6: v1(1796.44,238) 1797.18,238 1797.18,208.39 1789.83,201.04 1789.83,167.39 1800.72,156.5 LU9.2@1817.19,156.5
  Bottom Layer w6: LR55.2@1640,255.32 1660.31,235 1740,235 1745.36,240.36 1797.18,240.36 1799.28,238.26 1814.6,238.26 1822.86,230 1868.81,230 1888.52,210.29 1938.52,210.29 1952.33,196.47 LCN5.2@1952.33,125 ; v1(1796.44,238) 1796.44,239.55 v1@1796.44,240.36
COL6: LCN5.3 LR54.2 LU9.3 | length 572.7
  Top Layer w6: v1(1776.52,222.29) 1776.52,195.91 1770.68,190.07 1770.68,166.86 1800.72,136.81 LU9.3@1817.19,136.81
  Bottom Layer w6: LR54.2@1545,255.32 1545,251.42 1561.42,235 1625,235 1637.71,222.29 v1(1776.52,222.29) 1786.52,212.29 1866.52,212.29 1881.52,197.29 1896.52,197.29 1913.08,180.73 1913.08,128.03 LCN5.3@1911.72,126.67
COL9: LCN5.5 LR52.2 LU9.5 | length 587.1
  Top Layer w6: v1(1731.41,188) 1732.4,188.99 1733.65,187.74 1733.65,163.22 1800.49,96.38 LU9.5@1821.13,96.38
  Bottom Layer w6: LR52.2@1475,255.32 1475,235 1480,230 1500,230 1522,208 1612,208 1630,190 v1@1731.4,190 ; v1(1731.41,188) 1731.41,189.98 1732.52,189.98 1737.51,185 1818.81,185 1834.58,169.23 LCN5.5@1834.58,134.1
COL11: LCN5.1 LR56.2 LU9.1 | length 500.1
  Top Layer w6: LU9.1@1817.19,176.18 1817.19,177.35 1815.65,178.89 1815.65,235.65 1826.41,246.41 1826.41,252.14 v1(1825.97,252.14)
  Bottom Layer w6: LR56.2@1680,255.32 1680.31,255 1805,255 1823.11,255 v1(1825.97,252.14) v1@1826.41,252.14 ; v1@1832.29,252.14 1828.65,252.14 v1@1826.41,252.14 ; LCN5.1@1991.59,121.97 1991.59,197.22 1966.52,222.29 1901.52,222.29 1869.42,254.39 1828.65,254.39 v1@1826.41,252.14
COL15: LCN5.10 LR13.2 LU9.10 | length 642.5
  Top Layer w6: v1(1657.1,66.06) 1659.34,63.81 1659.34,50.66 1667.58,42.42 1735,-25 1857.94,-25 1872.31,-10.63 LU9.10@1872.31,5.83
  Bottom Layer w6: LR13.2@1440,255.32 1440,225 1450,215 1495,215 1515,195 1605,195 1620,180 1620,160 1628.18,151.82 LCN5.10@1636.95,151.82 ; LCN5.10@1636.95,147.9 1636.95,96.6 1654.86,78.69 1654.86,68.3 v1(1657.1,66.06)
COL16: LCN5.4 LR53.2 LU9.4 | length 572.2
  Top Layer w6: v1(1758.66,203.31) 1756.42,201.07 1750,194.64 1750,167.85 1800.72,117.13 LU9.4@1817.19,117.13
  Bottom Layer w6: LR53.2@1510,255.32 1510,240 1530,220 1620,220 1635,205 1756.97,205 v1(1758.66,203.31) 1778.53,203.31 1781.55,200.29 1838.52,200.29 1872.46,166.34 LCN5.4@1872.46,129.7
ESP_EN: LC7.2 LCN1.9 LR3.2 LTP16.1 LU1.9 LU3.4 | length 1915.9
  Top Layer w6: v1(95,190) 165,120 v1(170,120) ; v1@380,290.84 v1(380.6,290.84) ; LTP16.1@390,260 380,270 380,295 412.28,295 LR3.2@415,292.28 ; LU1.9@708.82,402.43 708.82,156.18 714.53,150.47 v1(713.18,149.13) ; v1(965,475) 945,455 945,392.22 1021.37,315.85 1021.37,224.36 1009.62,212.6 v1(1009.62,210.85)
  Bottom Layer w6: LCN1.9@84.87,244.91 84.87,205.13 95,195 v1(95,190) ; v1(170,120) 175,115 240,115 335,210 LC7.2@335,289.25 ; LC7.2@335,292.52 380.6,292.52 v1(380.6,290.84) 401.43,270 416.99,270 418.99,268 610.03,268 638.03,240 680,240 710.13,240 725,225.13 725,190 ; v1(713.18,149.13) 714.13,149.13 715,150 725,160 725,190 ; LU3.4@933.25,476.81 963.19,476.81 v1(965,475) ; v1(1009.62,210.85) 988.77,190 725,190
ESP_RX: LCN1.3 LTP4.1 LU1.40 | length 726.5
  Top Layer w6: LTP4.1@253.02,498.04 253.02,472.65 260.31,465.36 260.31,440.31 v1(260,440) ; v1(410.98,465.02) 410,466.01 410,510 484.13,584.13 LU1.40@525.11,584.13
  Bottom Layer w6: LCN1.3@130.33,299.08 75,354.4 cw(c153.09,354.4) 97.87,409.62 cw(c171.21,336.28) 171.21,440 v1(260,440) 389.15,440 412.3,463.15 410.98,464.46 v1(410.98,465.02)
ESP_TX: LCN1.5 LTP7.1 LU1.41 | length 526.7
  Top Layer w6: LTP7.1@415,385 425,375 v1(435,375) 435,416.92 435,434.04 435,515 484.44,564.45 LU1.41@525.11,564.45
  Bottom Layer w6: LCN1.5@229.95,307.79 cw(c283.42,307.79) 245.61,345.61 270,370 cw(c318.28,321.72) 318.28,390 410,390 cw(c410,365.86) 427.07,382.93 v1(435,375)
EXP_INT: LR40.2 LU1.10 LU9.32 | length 1767.4
  Top Layer w6: LU1.10@728.5,402.43 728.5,156.5 v1(740,145) ; v1(1055,70) 1080,70 1195,185 1195,265 v1(1235,305) ; v1(1805,375) 1805,285 1818.61,271.39 1843.83,271.39 1852.62,262.59 LU9.32@1852.62,206.62
  Bottom Layer w6: v1(740,145) 750,145 765,160 935,160 970,125 970,100 1000,70 v1(1055,70) ; v1(1235,305) 1250,320 1570,320 1577.28,312.72 1595,312.72 1612.72,312.72 1675,375 v1(1805,375)
EXP_RESET: LR39.2 LU1.29 LU9.28 | length 1942.9
  Top Layer w6: v1(670,705) 689.13,685.87 LU1.29@689.13,667.41 ; v2(1090,545) 1090,505 1100,495 1100,455 1090,445 1090,405 1110,385 1125,385 1160,350 1175,350 1185,360 1185,405 1205,425 1325,425 1355,395 1355,375 1378.54,351.46 1676.46,351.46 v1(1699.24,351.46) ; v1(1923.38,356.45) 1921.14,354.21 1921.14,339.31 1915.52,333.69 1915.52,248.04 1931.36,232.2 LU9.28@1931.36,211.62
  Bottom Layer w6: v1(670,705) 680.82,715.82 690.09,715.91 825.3,715.57 946.57,714.63 1049.92,711.94 1079.9,711.16 1150,641.06 1150,620 1090,560 v2(1090,545) ; v1@1697.52,350.43 LR39.2@1730,350.43 1735.43,350.43 1917.37,350.43 v1(1923.38,356.45)
FUEL_INT: LR16.2 LU1.42 LU6.C1 | length 608.8
  Top Layer w6: v1(400,220) 410,220 450,260 v1(450,305) ; LU1.42@527.11,544.76 550.24,544.76 555,540 555,445 v1(565,435)
  Bottom Layer w6: LU6.C1@328.15,82.67 328.15,98.15 340,110 340,142.72 LR16.2@342.28,145 ; LR16.2@345,145 345,165 v1(400,220) ; v1(450,305) 450,315 510,375 535,375 565,405 v1(565,435)
GND: LC1.2 LC2.2 LC3.2 LC4.2 LC5.2 LC6.2 LC7.1 LC8.2 LC9.2 LC10.2 LC11.2 LC12.2 LC13.2 LC15.2 LC16.2 LC17.2 LC18.2 LC19.2 LC20.2 LC21.2 LC22.2 LC23.2 LC24.2 LC25.2 LC26.2 LC27.2 LC28.2 LC29.2 LC30.2 LC31.2 LC32.2 LC33.2 LC34.2 LC35.2 LC36.2 LC37.2 LC38.2 LC39.2 LC41.2 LC42.2 LC43.2 LC44.2 LC45.2 LC46.2 LCN1.10 LCN2.A12 LCN2.B12 LCN3.0 LCN3.3 LCN4.0 LCN5.MP1 LCN5.MP2 LD2.2 LE1.2 LR8.2 LR10.2 LR14.1 LR15.1 LR19.2 LR21.2 LR22.2 LR25.2 LR26.2 LR27.2 LR28.2 LR36.2 LR42.2 LR43.2 LR46.1 LR48.2 LR49.2 LSW1.3 LSW1.4 LSW2.MP1 LSW2.MP2 LTH1.2 LTP13.1 LU1.49 LU2.2 LU2.9 LU2.18 LU2.23 LU2.24 LU2.EPAD LU3.2 LU5.4 LU5.5 LU5.8 LU5.17 LU6.A2 LU6.B2 LU6.C2 LU7.2 LU7.15 LU8.2 LU9.25 LU9.26 LU9.33 LU10.8 LU10.14 LU10.17 LU10.20 LU10.21 LX1.2 LX1.4 pad.1@0,0 pad.1@1815.28,622.21 pad.1@2504.37,3.11 pad.1@-759.35,538.22 | length 46.1
  Bottom Layer w49.21: 2520.24,393.65 2521.78,374.78 2521.81,374.51 LE1.2@2524,347.74
  other v1: 2284.87,-173.65 2211.88,-164.73 2359.55,-108.85 2087.67,-107.58 84.71,-91.63 155.07,-86.72 2341.52,-77.71 570.54,-73.5 2399.34,-64.94 2052.86,-49.61 681.87,-48.83 2367.74,-46.14 2291.52,-37.71 2341.52,-32.71 2220.45,-31.44 175.99,-29.87 250.67,-26.77 671.94,-20.9 2379.41,-16.82 391.79,-7.04 1815,-5 2351.52,-2.71 2075,0 2190.72,4.39 633.01,5.17 1148.52,9.63 1288.4,22.94 1585,25 337.73,31.94 2384.54,36.72 821.52,37.29 2236.52,37.29 2271.52,37.29 706.34,41.19 1707.32,51.48 959.91,52.33 909.71,55.98 1140.52,61.58 213.06,63.95 -99.68,75.88 1965,80 1223.07,83.06 2408.46,82.85 1890,85 2381.75,90.31 460,95 631.53,103.42 2303.72,105.16 2335.36,106.62 923.62,117.22 1262.48,117.99 2401.54,119.29 2456.53,118.9 2428.58,120.07 1615.76,121.61 2575.21,122.62 520.56,125.56 1536.38,125.99 2498.98,126.06 1418.26,131.77 2306.52,132.29 2368.09,134.7 1302.35,135.57 1339.89,135.05 1379.66,136.26 2538.94,136.38 2336.7,139.07 807.36,142.14 1000,145 1125,150 2329.78,164.72 2559.67,164.77 2306.04,170.32 1932.39,174.36 1971.29,176.3 2420.25,180.01 2447.86,180.01 2494.32,181.16 2226.36,181.81 635,185 2380.93,192.36 2511.88,193.48 2555.79,192.94 2406.52,197.29 2446.52,202.29 2304.56,204.24 2359.57,213.49 548.35,214.85 2134.72,222.36 2384.22,222.44 -20,225 455,225 2505.42,225.29 2425.21,226.52 2464.65,230.21 925,235 2561.35,239.84 2292.75,240.97 2360.52,241.09 2339.04,255.39 2357.99,274.41 2112.47,278.14 2293.09,284.97 2339.04,291.34 2015.06,302.02 2079.57,302.25 2132.16,304.54 2354.74,312.82 359.96,319.96 1680,325 1935.52,328.44 2146.52,337.29 2226.52,337.29 2351.94,344.59 1127.47,350 550,360 2380.58,361.22 2417.27,364.08 2455.41,368.92 1850,370 2496.67,373.15 2532.2,376.75 2554.61,377.48 460,385 1510,385 2351.93,388.26 2226.52,402.29 970,405 2426.52,412.29 415,415 2146.52,417.29 2371.52,422.29 2551.52,422.29 1360,425 2496.52,427.29 -689.9,432.6 -77.23,434.63 57.91,434.79 458.09,438 -608.97,442.22 2398.26,451.86 2450.2,460.97 2114.38,465.55 2355.51,467.11 2548.21,468.46 -447.94,469.35 -170.65,471.34 1210.11,477 1271.47,477 1338.17,477 1580,477 -643.77,478.41 1921.18,480.1 -287.48,484.46 2496.52,487.29 -533.48,492.29 887.14,497.11 -57.57,500.06 455,505 945,505 -382.56,510.99 2112.99,511.3 51.52,512.29 2544.46,515.63 -453.48,517.29 116.52,517.29 -252.01,518.04 2456.58,526.19 1212.43,527 1286.1,527 2384.51,527.82 2507.52,533.8 181.48,536.44 2212.83,558.05 2160.59,561.37 1215.14,562.86 -290.98,563.88 -181.5,563.96 1453.43,564.61 2540.23,566.32 46.52,567.29 111.52,572.29 1594.85,574.57 2053.85,578.86 2328.29,586.89 2367.15,591.76 1650.6,594.1 2396.38,594.72 1551.18,597.08 278.08,608.31 1451.92,611.85 -53.93,615.21 -583.48,617.29 463.08,620.23 2125.98,621.21 -378.48,622.29 2291.93,622.73 400,625 -665.69,626.64 2530.47,629.67 1167,636.82 886.35,640.05 2486.57,645.55 -720.66,655.11 124.93,657.22 231.52,672.29 -567.93,673.01 460,673 11.42,680.14 1083.51,683.51 -444.45,683.9 1612.33,686.57 1450.51,687.52 1235.87,688.49 1918.31,688.52 2412.88,690.36 838.14,692.77 -320.97,696.31 2337.3,700.73 1319.26,704.77 1165,710 -136.13,711.85 2224.57,713.31 1613.86,714.05 345,715 430,720 2141.17,724.69 236.37,733.93
I2C_CLK0/BOOT: LCN1.7 LR1.2 LSW1.1 LSW1.2 LTP10.1 LU1.23 LU9.29 | length 3071.8
  Top Layer w6: v1(610,240) 610,170 650,130 v1(650,127.14) ; LU1.23@794.11,623.5 836.5,623.5 910,550 910,523.94 910,390 985,315 v1(985,240) 985,217.67 949.47,182.14 913.08,182.14 899.52,168.58 899.52,127.64 v1(899.61,127.55) ; LTP10.1@1690,462.22 1710.4,462.22 1720.29,452.32 v1(1720.29,425.1) ; LU9.29@1911.52,197.44 1911.52,232.05 1901.54,242.03 1901.54,377.3 v1(1941.52,417.29)
  Bottom Layer w6: LCN1.7@184.49,253.63 150,219.13 150,115 165,100 250,100 390,240 421.2,240 LSW1.2@426.33,245.12 ; LSW1.2@426.33,252.29 526.72,252.29 526.72,250.92 533.72,243.92 573.08,243.92 577,240 v1(610,240) ; v1(650,127.14) 652.86,124.28 896.35,124.28 v1@899.21,127.14 ; v1(985,240) 1125,240 1235,350 1596.13,350 1612,365.87 1612,383.71 1653.39,425.1 v1(1720.29,425.1) 1825.99,425.1 1833.81,417.29 v1(1941.52,417.29)
I2C_CLK1: LR4.2 LTP15.1 LU1.24 LU2.19 LU6.B1 | length 3069.5
  Top Layer w6: LTP15.1@-220,490 -144.33,490 -144.26,490.07 ; LU2.19@-4.69,579.69 -20.62,595.62 -88.1,595.62 -127.93,555.8 ccw(c-114.05,525.48) -146.94,519.98 -144.26,490.07 ; v1(85,90) 80,85 -76.19,85 -107.23,116.04 -120.83,227.7 -144.26,490.07 ; v1(333.87,670.79) 325,661.92 325,330 339.42,315.58 339.42,133.61 390,83.03 390,20 v1@435,-25 ; LU1.24@792.1,643.19 792.1,652.1 v1(800,660)
  Bottom Layer w6: v1(85,90) 93.19,81.81 255.41,81.81 270.3,66.92 ; LU6.B1@328.15,66.92 270.3,66.92 ; v1@335,670 390,670 415,645 510,645 560,595 775,595 800,620 v1(800,660) ; LR4.2@700,182.28 700,165 680,145 603.03,145 434.31,-23.71 419.03,-39 289,-39 270.3,-20.3 270.3,66.92
  other v1: 432.88,-22.28
I2C_DATA0: LR2.2 LTP12.1 LU1.34 LU9.30 | length 2132.4
  Top Layer w6: LU1.34@590.71,669.42 590.71,740.71 600,750 752.71,750 850,652.71 850,630 920,560 920,556.97 922,554.97 922,398.25 1000,320.25 1000,271.87 1003.52,268.36 v1(1003.52,267.48) ; v1(1585,370) LTP12.1@1585,420 LTP12.1@1586.95,421.95 ; v1(1870.33,435.37) 1873.5,435.37 1884.23,424.64 1884.74,424.64 1889.52,419.86 1889.52,230.48 1890,230 1890,213.61 LU9.30@1891.99,211.62
  Bottom Layer w6: LR2.2@935,270 1000.99,270 v1(1003.52,267.48) 1006.04,270 1135,270 1230,365 1585,365 v1(1585,370) 1585,377.52 1652.48,445 1847.79,445 1855.18,437.61 1868.09,437.61 v1(1870.33,435.37)